# Altium PCB Minion_1_SiC780A_Rev01.PcbDoc (part 6 of 6)
Units mil, origin at the board's own origin, x right, y up, seen from the top; angles counter-clockwise.
Board outline 3937.01 x 3937.01 mil, 4 copper layers (L1, L2, L3, L4), stack 62.087 mil thick; 410 components, 107 nets, 1950 pads, 1997 vias.
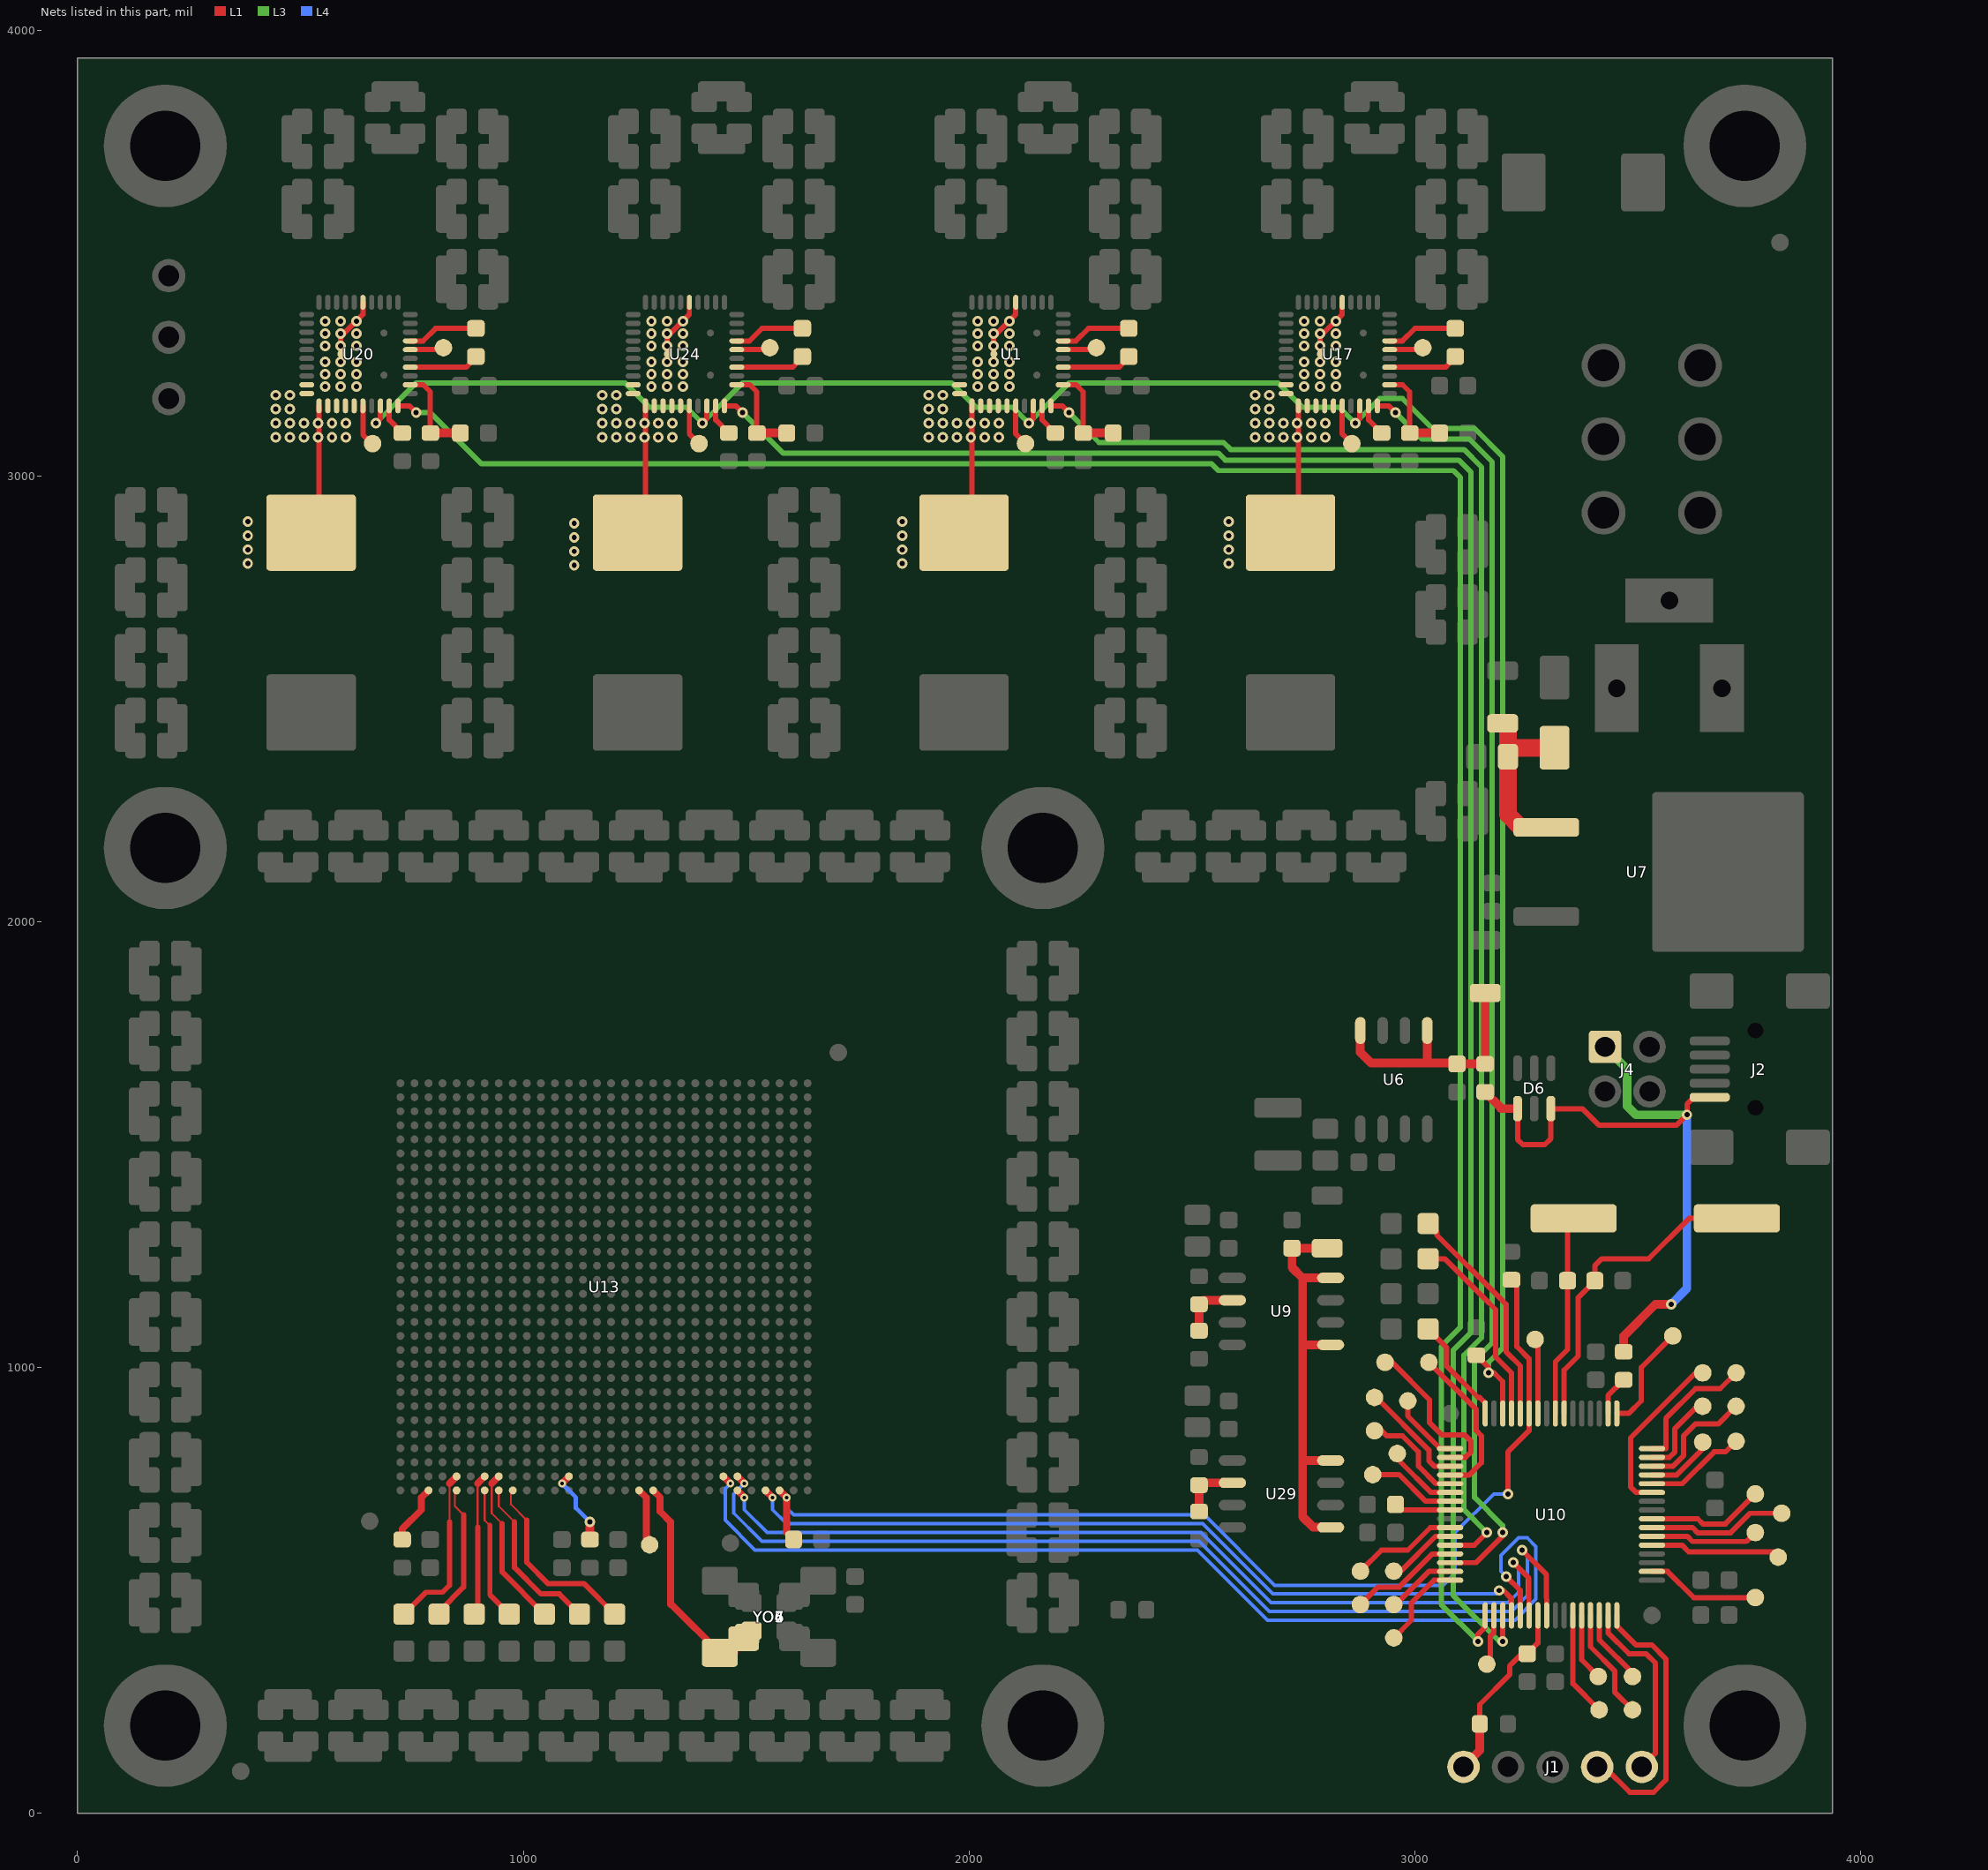
[diagram p8: the nets of this part, all layers, seen from the top]

## Via types
v1: diameter 23.62/23.62/23.62/23.62 (per signal layer), hole 11.81, L1 to L4, 1110 vias
v2: diameter 17.72/17.72/17.72/17.72 (per signal layer), hole 7.87, L1 to L4, 887 vias

## Nets (pads, with @x,y where several pads share a name; then routed paths per layer and width w, separated by ;. In a path a pad name is that pad's centre, name@x,y a point inside that pad or via, vN(x,y) a via of type N, cw(c..) or ccw(c..) an arc to the next point about the centre after c; other vN are vias at no path point) (continued)
LDO3.3V-5.0V: C1.1 R14.1 U9.5 U9.8 U29.5 U29.8 | length 952.2
  L1 w19.68: R14.1@2803.15,1267.72 C1.1@2724.41,1267.72 2724.41,1224.41 2747.83,1200.98 2748.23,1200.98 ; U29.5@2811.02,641.55 2810.84,641.73 2771.85,641.73 2748.23,665.35 2748.23,791.54 ; U29.8@2811.02,791.54 2748.23,791.54 ; U9.5@2811.02,1051 2748.23,1051 ; U9.8@2811.02,1200.98 2748.23,1200.98 ; 2748.23,791.54 2748.23,1051 ; 2748.23,1051 2748.23,1200.98
LDO5.0V: C15.1 R33.1 R34.1 U6.5 U6.8 | length 571.5
  L1 w19.68: U6.8@2877.76,1755.91 2877.76,1706.89 2901.57,1683.07 3027.74,1683.07 ; U6.5@3027.74,1755.91 3027.74,1683.07 ; R34.1@3157.93,1840.15 3157.93,1681.55 R33.1@3157.48,1681.1 C15.1@3094.49,1681.1 3092.52,1683.07 3027.74,1683.07
LED_BUSY1: D12.2 U13.AK8 | length 376.8
  L1 w4.33: U13.AK8@944.88,724.41 944.88,688.98 980.31,653.54
  L1 w11.81: 980.31,653.54 980.31,551.18 1039.37,492.13 1080.71,492.13 D12.2@1125.98,446.85
LED_CLK1: D16.2 U13.AK5 | length 312.5
  L1 w4.33: U13.AK5@850.39,724.41 846.46,724.41 846.46,688.98 866.14,669.29
  L1 w11.81: D16.2@811.02,446.85 811.02,452.76 866.14,507.87 866.14,669.29
LED_HOT1: D9.2 U13.AJ7 | length 318.8
  L1 w4.33: 897.64,641.73 897.64,740.16
  L1 w11.81: D9.2@889.76,446.85 897.64,454.72 897.64,641.73
  L1 w15.75: 897.64,740.16 U13.AJ7@913.39,755.91
LED_IDLE1: D5.2 U13.AJ8 | length 364.5
  L1 w4.33: 929.13,740.16 929.13,673.23 952.76,649.61
  L1 w11.81: 952.76,649.61 952.76,541.34 D5.2@1047.24,446.85
  L1 w15.75: 929.13,740.16 U13.AJ8@944.88,755.91
LED_NONCE1: D17.2 U13.AK7 | length 300.4
  L1 w4.33: U13.AK7@913.39,724.41 913.39,657.48 925.2,645.67
  L1 w11.81: 925.2,645.67 925.2,490.16 D17.2@968.5,446.85
LED_POWER1: D13.2 U13.AK9 | length 422.7
  L1 w4.33: U13.AK9@976.38,724.41 972.44,720.47 972.44,692.91 1007.87,657.48
  L1 w11.81: 1007.87,657.48 1007.87,562.99 1055.12,515.75 1135.83,515.75 D13.2@1204.72,446.85
LED_SPI1: D7.2 U13.AJ5 | length 379.9
  L1 w4.33: 834.65,653.54 834.65,740.16
  L1 w11.81: D7.2@732.28,446.85 781.5,496.06 818.9,496.06 834.65,511.81 834.65,653.54
  L1 w15.75: 834.65,740.16 U13.AJ5@850.39,755.91
LM12V: C592.1 D8.1 R13.1 U7.1 | length 419.2
  L1 w39.37: R13.1@3196.85,2444.88 3208.66,2444.88 C592.1@3208.66,2390.1 ; U7.1@3294.84,2211.54 3293.78,2212.6 3236.22,2212.6 3208.66,2240.16 C592.1@3208.66,2370.08 C592.1@3208.66,2390.1 ; D8.1@3313.33,2390.1 C592.1@3208.66,2390.1
"MAIN OSC IN": C10.1 U10.39 Y1.1 | length 722.7
  L1 w11.81: U10.39@3334.94,896.97 3334.94,994.39 3366.14,1025.59 3366.14,1156.5 3366.46,1156.81 3403.54,1193.9 C10.1@3403.54,1194.88 3403.54,1228.35 3419.29,1244.09 3524.59,1244.09 3615.14,1334.65 Y1.1@3722.44,1334.65
"MAIN OSC OUT": C11.1 U10.40 Y1.2 | length 454.7
  L1 w11.81: U10.40@3315.26,896.97 3315.26,1013.09 3342.52,1040.35 C11.1@3342.52,1194.88 3342.52,1320.87 Y1.2@3356.3,1334.65
MCLR: C5.1 J1.1 R31.1 U10.7 | length 415.9
  L1 w11.81: R31.1@3145.67,200.79 3145.67,244.09 3212.6,311.02 3212.6,330.71 3240.16,358.27 C5.1@3251.97,358.27 3275.89,382.19 U10.7@3275.89,444.21
  L1 w19.68: J1.1@3109.06,104.33 3145.67,140.94 R31.1@3145.67,200.79
MCU5.0V: R32.2 U10.34 | length 90
  L1 w11.81: U10.34@3433.37,896.97 3433.37,937.3 R32.2@3468.5,972.44
NetC26_1: C26.1 R4.2 U1.2 | length 211
  L1 w11.81: U1.2@2211.08,3204.32 2240.16,3204.32 2255.91,3188.57 2255.91,3096.5 R4.2@2256.36,3096.05
  L1 w19.68: R4.2@2256.36,3096.05 C26.1@2323.29,3096.05
NetC30_1: C30.1 U1.4 | length 158
  L1 w11.81: U1.4@2211.08,3243.69 2337.07,3243.69 C30.1@2358.27,3267.72
NetC30_2: C30.2 U1.7 | length 158.8
  L1 w11.81: U1.7@2211.08,3302.74 2239.75,3302.74 2267.72,3330.71 C30.2@2358.27,3330.71
NetC58_1: C58.1 R24.2 U17.2 | length 211
  L1 w11.81: U17.2@2943.36,3204.32 2972.44,3204.32 2988.19,3188.57 2988.19,3096.5 R24.2@2988.64,3096.05
  L1 w19.68: R24.2@2988.64,3096.05 C58.1@3055.57,3096.05
NetC89_1: C89.1 R3.2 U20.2 | length 211
  L1 w11.81: U20.2@746.51,3204.32 775.59,3204.32 791.34,3188.57 791.34,3096.5 R3.2@791.79,3096.05
  L1 w19.68: R3.2@791.79,3096.05 C89.1@858.72,3096.05
NetC93_1: C93.1 U20.4 | length 158
  L1 w11.81: U20.4@746.51,3243.69 872.5,3243.69 C93.1@893.7,3267.72
NetC93_2: C93.2 U20.7 | length 158.8
  L1 w11.81: U20.7@746.51,3302.74 775.18,3302.74 803.15,3330.71 C93.2@893.7,3330.71
NetC121_1: C121.1 R7.2 U24.2 | length 211
  L1 w11.81: U24.2@1478.8,3204.32 1507.87,3204.32 1523.62,3188.57 1523.62,3096.5 R7.2@1524.07,3096.05
  L1 w19.68: R7.2@1524.07,3096.05 C121.1@1591,3096.05
NetC125_1: C125.1 U24.4 | length 158
  L1 w11.81: U24.4@1478.8,3243.69 1604.78,3243.69 C125.1@1625.98,3267.72
NetC125_2: C125.2 U24.7 | length 158.8
  L1 w11.81: U24.7@1478.8,3302.74 1507.47,3302.74 1535.43,3330.71 C125.2@1625.98,3330.71
NetC257_1: C257.1 U17.4 | length 158
  L1 w11.81: U17.4@2943.36,3243.69 3069.35,3243.69 C257.1@3090.55,3267.72
NetC257_2: C257.2 U17.7 | length 158.8
  L1 w11.81: U17.7@2943.36,3302.74 2972.03,3302.74 3000,3330.71 C257.2@3090.55,3330.71
NetR1_1: R1.1 U1.39 | length 73.3
  L1 w11.81: U1.39@2163.84,3157.07 2163.84,3125.58 R1.1@2193.36,3096.05
NetR2_1: R2.1 U20.39 | length 73.3
  L1 w11.81: U20.39@699.27,3157.07 699.27,3125.58 R2.1@728.8,3096.05
NetR5_1: R5.1 U24.39 | length 73.3
  L1 w11.81: U24.39@1431.55,3157.07 1431.55,3125.58 R5.1@1461.08,3096.05
NetR16_2: R16.2 R17.1 U9.2 | length 137.7
  L1 w19.68: R17.1@2515.75,1082.68 R16.2@2515.75,1141.73 2525,1150.98 U9.2@2590.55,1150.98
NetR23_1: R23.1 U17.39 | length 73.3
  L1 w11.81: U17.39@2896.12,3157.07 2896.12,3125.58 R23.1@2925.65,3096.05
NetR27_2: R27.2 R28.1 U29.2 | length 136.1
  L1 w19.68: R28.1@2515.75,677.17 R27.2@2515.75,736.22 2521.06,741.54 U29.2@2590.55,741.54
NetTP2_1: TP2.1 U10.27 | length 386.2
  L1 w11.81: U10.27@3531.79,719.81 3496.06,719.81 3483.58,732.28 3483.58,841.85 3630.59,988.86 3645,988.86 TP2.1@3645.67,988.19
NetTP4_1: TP4.1 U20.6 | length 78.7
  L1 w11.81: U20.6@746.51,3283.06 820.87,3283.06 TP4.1@820.87,3287.4
NetTP5_1: TP5.1 U10.12 | length 152.5
  L1 w11.81: U10.12@3374.31,444.21 3374.31,344.15 TP5.1@3410.54,307.92 ; TP5.1@3410.58,307.92 TP5.1@3411.42,307.09
NetTP6_1: TP6.1 U10.13 | length 250.9
  L1 w11.81: U10.13@3394,444.21 3394,373.72 3448.82,318.9 3448.82,271.65 TP6.1@3488.19,232.28
NetTP7_1: TP7.1 U10.14 | length 179.1
  L1 w11.81: U10.14@3413.68,444.21 3413.68,389.47 3492.13,311.02 3496.06,307.09 TP7.1@3488.19,307.09
NetTP8_1: TP8.1 U1.6 | length 78.7
  L1 w11.81: U1.6@2211.08,3283.06 2285.43,3283.06 TP8.1@2285.43,3287.4
NetTP10_1: TP10.1 U10.21 | length 301.2
  L1 w11.81: U10.21@3531.79,601.7 3599.09,601.69 3614.17,586.61 3814.96,586.61 TP10.1@3814.96,574.8
NetTP11_1: TP11.1 U10.22 | length 245.1
  L1 w11.81: U10.22@3531.79,621.38 3610.9,621.38 3622.44,609.84 3743.7,609.84 TP11.1@3763.78,629.92
NetTP12_1: TP12.1 U10.58 | length 241.6
  L1 w11.81: TP12.1@2877.95,543.31 2925.2,590.55 2984.25,590.55 3034.77,641.07 U10.58@3079.04,641.07
NetTP13_1: TP13.1 U10.42 | length 168.6
  L1 w11.81: TP13.1@3269.68,1062.99 3275.89,1056.79 U10.42@3275.89,896.97
NetTP15_1: TP15.1 U1.36 | length 93.6
  L1 w11.81: U1.36@2104.78,3157.07 2104.78,3094.08 TP15.1@2126.44,3072.43
NetTP16_1: TP16.1 U24.6 | length 78.7
  L1 w11.81: U24.6@1478.8,3283.06 1553.15,3283.06 TP16.1@1553.15,3287.4
NetTP17_1: TP17.1 U10.51 | length 247.7
  L1 w11.81: TP17.1@2909.45,933.07 2913.39,933.07 3031.5,814.96 3031.5,790.67 3043.31,778.86 U10.51@3079.04,778.86
NetTP18_1: TP18.1 U10.55 | length 198.3
  L1 w11.81: TP18.1@2905.51,759.84 2964.57,759.84 3024.29,700.12 U10.55@3079.04,700.12
NetTP19_1: TP19.1 U10.54 | length 159.7
  L1 w11.81: TP19.1@2960.63,807.09 2968.5,787.4 3036.1,719.81 U10.54@3079.04,719.81
NetTP20_1: TP20.1 U10.52 | length 356
  L1 w11.81: TP20.1@3031.5,1011.81 3137.8,905.51 3137.8,858.27 3149.61,846.46 3149.61,786.73 3122.05,759.18 U10.52@3079.04,759.18
NetTP21_1: TP21.1 U10.33 | length 241.5
  L1 w11.81: U10.33@3453.05,896.97 3453.72,897.64 3480.31,897.64 3507.87,925.2 3507.87,1000 TP21.1@3578.74,1070.87
NetTP22_1: TP22.1 U10.50 | length 372
  L1 w11.81: TP22.1@2933.07,1011.81 2948.82,1011.81 3032.48,928.15 3032.48,876.97 3061.02,848.43 3112.2,848.43 3125.98,834.65 3125.98,811.02 3113.51,798.55 U10.50@3079.04,798.55
NetTP23_1: TP23.1 U10.49 | length 159.1
  L1 w11.81: TP23.1@2984.25,925.2 2984.25,891.07 3057.09,818.23 U10.49@3079.04,818.23
NetTP25_1: TP25.1 U10.53 | length 237.6
  L1 w11.81: TP25.1@2909.45,858.27 2925.2,858.27 2937.01,846.46 2972.44,846.46 3007.87,811.02 3007.87,778.86 3047.24,739.49 U10.53@3079.04,739.49
NetTP26_1: TP26.1 U10.18 | length 256.7
  L1 w11.81: U10.18@3531.79,542.64 3566.93,542.64 3625.98,483.58 3763.11,483.58 TP26.1@3763.78,484.25
NetTP27_1: TP27.1 U17.36 | length 93.6
  L1 w11.81: U17.36@2837.07,3157.07 2837.07,3094.08 TP27.1@2858.72,3072.43
NetTP28_1: TP28.1 U10.59 | length 159.2
  L1 w11.81: TP28.1@2952.76,543.31 2953.42,542.64 2967.84,542.64 3046.58,621.38 U10.59@3079.04,621.38
NetTP29_1: TP29.1 U10.11 | length 236.3
  L1 w11.81: U10.11@3354.63,444.21 3354.63,291.04 TP29.1@3413.39,232.28
NetTP30_1: TP30.1 U20.36 | length 94.8
  L1 w11.81: U20.36@640.22,3157.07 640.22,3092.11 659.9,3072.43 TP30.1@661.87,3072.43
NetTP31_1: TP31.1 U17.6 | length 78.7
  L1 w11.81: U17.6@2943.36,3283.06 3017.72,3283.06 TP31.1@3017.72,3287.4
NetTP32_1: TP32.1 U24.36 | length 93.6
  L1 w11.81: U24.36@1372.5,3157.07 1372.5,3094.08 TP32.1@1394.15,3072.43
NetTP123_1: TP123.1 U10.28 | length 228.1
  L1 w11.81: U10.28@3531.79,739.49 3599.81,739.49 3671.34,811.02 3696.85,811.02 TP123.1@3720.47,834.65
NetTP124_1: TP124.1 U10.29 | length 153.3
  L1 w11.81: U10.29@3531.79,759.18 3587.47,759.18 3645.67,817.38 TP124.1@3645.67,832.68
NetTP125_1: TP125.1 U10.30 | length 270.5
  L1 w11.81: U10.30@3531.79,778.86 3579.32,778.86 3602.36,801.91 3602.36,846.46 3629.92,874.02 3681.1,874.02 TP125.1@3720.47,913.39
NetTP126_1: TP126.1 U10.31 | length 192
  L1 w11.81: U10.31@3531.79,798.55 3571.15,798.55 3582.68,810.08 3582.68,862.2 3633.86,913.39 TP126.1@3645.67,913.39
NetTP127_1: TP127.1 U10.32 | length 298.7
  L1 w11.81: U10.32@3531.79,818.23 3562.99,818.23 3562.99,885.83 3629.92,952.76 3685.04,952.76 TP127.1@3720.47,988.19
NetTP131_1: TP131.1 U10.23 | length 313.9
  L1 w11.81: U10.23@3531.79,641.07 3622.71,641.07 3634.25,629.53 3708.27,629.53 3751.97,673.23 TP131.1@3822.83,673.23
NetTP132_1: TP132.1 U10.24 | length 264.7
  L1 w11.81: U10.24@3531.79,660.75 3634.53,660.75 3646.06,649.21 3696.46,649.21 TP132.1@3763.78,716.54
ORANGE: D4.2 U10.45 | length 446.6
  L1 w11.81: D4.2@3029.53,1244.09 3066.93,1244.09 3154.21,1156.81 3181.1,1129.92 3181.1,1023.62 3216.83,987.89 U10.45@3216.83,896.97
PGC: J1.5 U10.15 | length 418.9
  L1 w11.81: U10.15@3433.37,444.21 3433.37,404.84 3479.94,358.27 3518.5,358.27 3539.37,337.4 3539.37,134.65 J1.5@3509.06,104.33
PGD: J1.4 U10.16 | length 624.9
  L1 w11.81: J1.4@3409.06,104.33 3411.02,102.36 3427.17,102.36 3482.28,47.24 3535.43,47.24 3562.99,74.8 3562.99,346.46 3531.5,377.95 3495.69,377.95 3453.05,420.59 U10.16@3453.05,444.21
POR_IOVSEL1: R19.2 U13.AJ13 | length 174.3
  L1 w15.75: v2(1086.61,740.16) U13.AJ13@1102.36,755.91
  L1 w19.68: R19.2@1149.61,614.17 v1(1149.61,653.54)
  L4 w9.84: v2(1086.61,740.16) 1118.11,708.66 1118.11,685.04 v1(1149.61,653.54)
PWM1H: TP14.1 U10.61 | length 248.1
  L1 w11.81: TP14.1@2877.95,468.5 2917.32,507.87 2965.23,507.87 3039.37,582.01 U10.61@3079.04,582.01
PWM1L: U1.40 U10.60 | length 3544.7
  L1 w11.81: U1.40@2183.52,3157.07 2209.07,3157.07 v1(2224.41,3141.73) ; U10.60@3079.04,601.7 3133.86,601.69 3133.86,602.36 v1(3161.42,629.92)
  L3 w11.81: v1(2224.41,3141.73) 2291.34,3074.8 2570.87,3074.8 2586.61,3059.06 3110.24,3059.06 3149.61,3019.68 3149.61,1066.93 3110.24,1027.56 3110.24,681.1 v1(3161.42,629.92)
PWM2H: TP3.1 U10.63 | length 157
  L1 w11.81: TP3.1@2952.76,468.5 2957.36,468.5 3031.5,542.64 U10.63@3079.04,542.64
PWM2L: U10.62 U17.40 | length 2903.8
  L1 w11.81: U17.40@2915.81,3157.07 2941.35,3157.07 v1(2956.69,3141.73) ; U10.62@3079.04,562.33 3137.13,562.32 3196.85,622.05 v1(3196.85,629.92)
  L3 w11.81: v1(2956.69,3141.73) 3015.75,3082.68 3122.05,3082.68 3173.23,3031.5 3173.23,1055.12 3133.86,1015.75 3133.86,708.66 3196.85,645.67 v1(3196.85,629.92)
PWM3H: U10.1 U20.40 | length 5177.6
  L1 w11.81: U20.40@718.96,3157.07 744.5,3157.07 v1(759.84,3141.73) ; v1(3141.73,385.83) 3142.03,386.12 3142.03,401.87 3157.78,417.62 U10.1@3157.78,444.21
  L3 w11.81: v1(759.84,3141.73) 791.34,3141.73 905.51,3027.56 2543.31,3027.56 2559.06,3011.81 3086.61,3011.81 3102.36,2996.06 3102.36,1090.55 3059.06,1047.24 3059.06,468.5 v1(3141.73,385.83)
PWM3L: TP129.1 U10.64 | length 202.9
  L1 w11.81: TP129.1@2952.76,393.7 2992.13,433.07 2992.13,472.44 3042.64,522.95 U10.64@3079.04,522.95
PWM4H: U10.3 U24.40 | length 4483.9
  L1 w11.81: U24.40@1451.24,3157.07 1476.78,3157.07 v1(1492.13,3141.73) ; v1(3196.85,385.83) 3197.15,385.83 U10.3@3197.15,444.21
  L3 w11.81: v1(1492.13,3141.73) 1582.68,3051.18 2559.06,3051.18 2574.8,3035.43 3098.43,3035.43 3125.98,3007.87 3125.98,1078.74 3086.61,1039.37 3086.61,488.19 3188.98,385.83 v1(3196.85,385.83)
PWM4L: TP128.1 U10.2 | length 120.8
  L1 w11.81: TP128.1@3161.42,334.65 3169.29,334.65 3169.29,397.64 3177.46,405.81 U10.2@3177.46,444.21
RED: D1.2 U10.48 | length 245
  L1 w11.81: D1.2@3029.53,1086.61 3070.87,1045.28 3070.87,1003.66 3141.45,933.07 3145.3,933.07 3157.78,920.59 U10.48@3157.78,896.97
RESET_ASIC: C594.1 R26.2 U10.43 U13.AK28 | length 2507.9
  L1 w11.81: v1(3208.66,716.54) 3208.66,810.73 3256.2,858.27 U10.43@3256.2,896.97 3256.2,1019.69 3228.64,1047.24 3228.64,1204.43 R26.2@3216.54,1196.85
  L1 w15.75: U13.AK28@1574.8,724.41 v2(1590.55,708.66) 1590.55,629.92 C594.1@1606.3,614.17
  L4 w7.87: v2(1590.55,708.66) 1590.55,685.04 1606.3,669.29 2527.56,669.29 2685.04,511.81 3062.99,511.81 3090.55,539.37 3090.55,629.92 3177.17,716.54 v1(3208.66,716.54)
SPI_CS: U10.8 U13.AJ25 | length 2260.9
  L1 w11.81: v1(3240.16,590.55) 3295.28,535.43 3295.28,519.69 U10.8@3295.57,444.21
  L1 w15.75: U13.AJ25@1480.31,755.91 v2(1496.06,740.16)
  L4 w7.87: v2(1496.06,740.16) 1472.44,716.54 1472.44,673.23 1535.43,610.24 2515.75,610.24 2673.23,452.76 3216.54,452.76 3251.97,488.19 3251.97,578.74 v1(3240.16,590.55)
SPI_MISO: U10.5 U13.AJ24 | length 2415.2
  L1 w11.81: v1(3204.72,531.5) 3236.22,500.53 3236.22,488.19 U10.5@3236.52,444.21
  L1 w15.75: U13.AJ24@1448.82,755.91 v2(1464.57,740.16)
  L4 w7.87: v2(1464.57,740.16) 1452.76,728.35 1452.76,657.48 1519.68,590.55 2511.81,590.55 2669.29,433.07 3224.41,433.07 3271.65,480.31 3271.65,598.43 3251.97,618.11 3232.28,618.11 3192.91,578.74 3192.91,543.31 v1(3204.72,531.5)
SPI_MOSI: U10.6 U13.AK25 | length 2087.5
  L1 w11.81: v1(3220.47,562.99) 3255.91,527.56 3255.91,496.06 U10.6@3256.2,444.21
  L1 w15.75: U13.AK25@1480.31,724.41 v2(1496.06,708.66)
  L4 w7.87: v2(1496.06,708.66) 1496.06,681.1 1547.24,629.92 2519.68,629.92 2677.17,472.44 3208.66,472.44 3232.28,496.06 3232.28,551.18 v1(3220.47,562.99)
SPI_SCK: U10.4 U13.AK27 | length 1834.3
  L1 w11.81: v1(3188.98,500) 3199.46,499.48 3215.55,483.39 3216.83,482.31 U10.4@3216.83,444.21
  L1 w15.75: U13.AK27@1543.31,724.41 v2(1559.06,708.66)
  L4 w7.87: v2(1559.06,708.66) 1559.06,681.1 1590.55,649.61 2523.62,649.61 2681.1,492.13 3181.1,492.13 v1(3188.98,500)
SWN7: L10.1 U20.15 U20.29 U20.30 U20.31 U20.32 U20.33 U20.34 U20.35 U20.43 | length 439.1
  L1 w11.81: L10.1@524.07,2872.63 541.79,2872.63 U20.31@541.79,3157.07 ; U20.43@591,3273.22 590.55,3273.67 v1(590.55,3291.34) 590.55,3312.54 640.22,3362.2 U20.15@640.22,3389.36
  other v1: 381.89,2803.15 381.89,2834.65 381.89,2866.14 381.89,2897.64 444.88,3086.61 476.38,3086.61 507.87,3086.61 539.37,3086.61 570.87,3086.61 602.36,3086.61 444.88,3118.11 476.38,3118.11 507.87,3118.11 539.37,3118.11 570.87,3118.11 602.36,3118.11 444.88,3149.61 476.38,3149.61 444.88,3181.1 476.38,3181.1 555.12,3200.79 590.55,3200.79 625.98,3200.79 555.12,3228.35 590.55,3228.35 625.98,3228.35 555.12,3255.91 590.55,3255.91 625.98,3255.91 555.12,3291.34 625.98,3291.34 555.12,3318.9 590.55,3318.9 625.98,3318.9 555.12,3346.46 590.55,3346.46 625.98,3346.46
SWN8: L14.1 U24.15 U24.29 U24.30 U24.31 U24.32 U24.33 U24.34 U24.35 U24.43 | length 439.1
  L1 w11.81: L14.1@1256.36,2872.63 1274.07,2872.63 U24.31@1274.07,3157.07 ; U24.43@1323.29,3273.22 1322.83,3273.67 v1(1322.83,3291.34) 1322.83,3312.54 1326.01,3315.72 1357.51,3347.22 1372.5,3362.2 U24.15@1372.5,3389.36
  other v1: 1114.17,2799.21 1114.17,2830.71 1114.17,2862.2 1114.17,2893.7 1177.17,3086.61 1208.66,3086.61 1240.16,3086.61 1271.65,3086.61 1303.15,3086.61 1334.65,3086.61 1177.17,3118.11 1208.66,3118.11 1240.16,3118.11 1271.65,3118.11 1303.15,3118.11 1334.65,3118.11 1177.17,3149.61 1208.66,3149.61 1177.17,3181.1 1208.66,3181.1 1287.4,3200.79 1322.83,3200.79 1358.27,3200.79 1287.4,3228.35 1322.83,3228.35 1358.27,3228.35 1287.4,3255.91 1322.83,3255.91 1358.27,3255.91 1287.4,3291.34 1358.27,3291.34 1287.4,3318.9 1322.83,3318.9 1358.27,3318.9 1287.4,3346.46 1322.83,3346.46 1358.27,3346.46
SWN9: L3.1 U1.15 U1.29 U1.30 U1.31 U1.32 U1.33 U1.34 U1.35 U1.43 | length 439.1
  L1 w11.81: L3.1@1988.64,2872.63 2006.36,2872.63 U1.31@2006.36,3157.07 ; U1.43@2055.57,3273.22 2055.12,3273.67 v1(2055.12,3291.34) 2055.12,3312.54 2104.78,3362.2 U1.15@2104.78,3389.36
  other v1: 1850.39,2803.15 1850.39,2834.65 1850.39,2866.14 1850.39,2897.64 1909.45,3086.61 1940.94,3086.61 1972.44,3086.61 2003.94,3086.61 2035.43,3086.61 2066.93,3086.61 1909.45,3118.11 1940.94,3118.11 1972.44,3118.11 2003.94,3118.11 2035.43,3118.11 2066.93,3118.11 1909.45,3149.61 1940.94,3149.61 1909.45,3181.1 1940.94,3181.1 2019.68,3200.79 2055.12,3200.79 2090.55,3200.79 2019.68,3228.35 2055.12,3228.35 2090.55,3228.35 2019.68,3255.91 2055.12,3255.91 2090.55,3255.91 2019.68,3291.34 2090.55,3291.34 2019.68,3318.9 2055.12,3318.9 2090.55,3318.9 2019.68,3346.46 2055.12,3346.46 2090.55,3346.46
SWN10: L7.1 U17.15 U17.29 U17.30 U17.31 U17.32 U17.33 U17.34 U17.35 U17.43 | length 439.1
  L1 w11.81: L7.1@2720.92,2872.63 2738.64,2872.63 U17.31@2738.64,3157.07 ; U17.43@2787.85,3273.22 2787.4,3273.67 v1(2787.4,3291.34) 2787.4,3312.54 2837.07,3362.2 U17.15@2837.07,3389.36
  other v1: 2582.68,2803.15 2582.68,2834.65 2582.68,2866.14 2582.68,2897.64 2641.73,3086.61 2673.23,3086.61 2704.72,3086.61 2736.22,3086.61 2767.72,3086.61 2799.21,3086.61 2641.73,3118.11 2673.23,3118.11 2704.72,3118.11 2736.22,3118.11 2767.72,3118.11 2799.21,3118.11 2641.73,3149.61 2673.23,3149.61 2641.73,3181.1 2673.23,3181.1 2751.97,3200.79 2787.4,3200.79 2822.83,3200.79 2751.97,3228.35 2787.4,3228.35 2822.83,3228.35 2751.97,3255.91 2787.4,3255.91 2822.83,3255.91 2751.97,3291.34 2822.83,3291.34 2751.97,3318.9 2787.4,3318.9 2822.83,3318.9 2751.97,3346.46 2787.4,3346.46 2822.83,3346.46
TEST_MODE1: R25.2 U13.AK3 | length 134.7
  L1 w15.75: R25.2@728.35,614.17 728.35,637.8 771.65,681.1 771.65,708.66 U13.AK3@787.4,724.41
THDN: R9.1 U1.38 U10.46 U17.38 U20.38 U24.38 | length 5232.7
  L1 w11.81: v1(669.29,3118.11) 679.59,3128.4 U20.38@679.59,3157.07 ; v1(1401.57,3118.11) 1411.87,3128.4 U24.38@1411.87,3157.07 ; v1(2133.86,3118.11) 2144.15,3128.4 U1.38@2144.15,3157.07 ; v1(2866.14,3118.11) 2876.44,3128.4 U17.38@2876.44,3157.07 ; R9.1@3137.8,1027.56 3144.7,1020.69 3144.8,1020.69 3165.41,1000.09 3165.41,988.24 v1(3165.35,988.19) ; v1(3165.35,988.19) 3177.37,988.18 3181.19,984.36 3197.15,968.5 U10.46@3197.15,896.97
  L3 w11.81: v1(669.29,3118.11) 759.84,3208.66 1228.35,3208.66 1283.46,3153.54 1366.14,3153.54 v1(1401.57,3118.11) 1492.13,3208.66 1960.63,3208.66 2015.75,3153.54 2098.43,3153.54 v1(2133.86,3118.11) 2224.41,3208.66 2692.91,3208.66 2748.03,3153.54 2830.71,3153.54 v1(2866.14,3118.11) 2921.26,3173.23 2972.44,3173.23 3039.37,3106.3 3133.86,3106.3 3196.85,3043.31 3196.85,1043.31 3165.35,1011.81 v1(3165.35,988.19)
USB5.0V: D6.4 D6.6 J2.1 J4.1 R32.1 R33.2 | length 1628.8
  L1 w11.81: D6.4@3230.31,1580.71 3230.31,1511.81 3242.13,1500 3291.34,1500 3305.12,1513.78 D6.6@3305.12,1580.71 3375.98,1580.71 3413.39,1543.31 3586.61,1543.31 v1(3610.24,1566.93) 3610.24,1590.55 3625.98,1606.3 J2.1@3661.42,1606.3
  L1 w19.68: R33.2@3157.48,1618.11 3192.91,1582.68 3192.91,1580.71 D6.4@3230.31,1580.71 ; R32.1@3468.5,1035.43 3468.5,1070.87 3539.37,1141.73 v1(3574.8,1141.73)
  L3 w19.68: J4.1@3426.38,1719.29 3476.38,1669.29 3476.38,1586.61 3496.06,1566.93 v1(3610.24,1566.93)
  L4 w19.68: v1(3574.8,1141.73) 3610.24,1177.17 v1(3610.24,1566.93)
VCAP: C2.1 U10.56 | length 134.8
  L1 w11.81: C2.1@2956.69,692.91 2956.69,680.44 U10.56@3079.04,680.44
XCLK1: U13.AK19 YO4.3 YO5.3 YO6.3 YO7.3 | length 540.1
  L1 w15.75: U13.AK19@1291.34,724.41 1307.09,708.66 1307.09,677.17 1330.71,653.54 1330.71,468.5 1332.68,468.5 YO7.3@1440.94,360.24
  L1 w19.68: YO7.3@1440.94,360.24 1472.44,360.24 1472.44,393.7 YO6.3@1494.09,393.7 ; YO6.3@1494.09,391.73 YO6.3@1494.09,393.7 ; YO4.3@1511.81,409.45 1509.84,409.45 YO5.3@1501.97,401.57 YO6.3@1494.09,393.7
XCLK_OUT1: TP9.1 U13.AK18 | length 131.8
  L1 w15.75: U13.AK18@1259.84,724.41 1275.59,708.66 1275.59,610.24 TP9.1@1283.46,602.36
YELLOW: D3.2 U10.44 | length 511.6
  L1 w11.81: D3.2@3029.53,1322.83 3049.21,1303.15 3049.21,1297.24 3189.64,1156.81 3204.72,1141.73 3204.72,1035.43 3236.52,1003.64 U10.44@3236.52,896.97
pads on no net: FID1.1 FID2.1 J2.4 J2.10 J2.11 U1.1 U6.2 U6.3 U6.4 U9.3 U9.4 U10.65 U10.66 U13.FID1 U13.FID2 U17.1 U20.1 U24.1 U29.3 U29.4

## Polygon pours and split planes (outlines as drawn)
SWN8 on L4 "L4-$1I74\SWN8" (solid, remove dead copper, pour order 48): 1370.08,3360.24 1370.08,2783.46 1078.74,2783.46 1078.74,3114.17 1173.23,3208.66 1275.59,3208.66 1275.59,3360.24
SWN7 on L4 "L4-$1I74\SWN7" (solid, remove dead copper, pour order 47): 637.8,3360.24 637.8,2783.46 346.46,2783.46 346.46,3114.17 440.94,3208.66 543.31,3208.66 543.31,3360.24
12V on L4 "L4-12V" (solid, remove dead copper, pour order 49): 622.05,3937.01 3937.01,3937.01 3937.01,2795.28 3515.75,2795.28 3515.75,3287.4 3228.35,3574.8 622.05,3574.8
SWN9 on L4 "L4-$1I74\SWN9" (solid, remove dead copper, pour order 46): 2102.36,3360.24 2102.36,2783.46 1811.02,2783.46 1811.02,3114.17 1905.51,3208.66 2007.87,3208.66 2007.87,3360.24
SWN10 on L4 "L4-$1I74\SWN10" (solid, remove dead copper, pour order 45): 2834.65,3360.24 2834.65,2783.46 2543.31,2783.46 2543.31,3114.17 2637.8,3208.66 2740.16,3208.66 2740.16,3360.24
GND on L4 "L4-GND" (solid, remove dead copper, pour order 50): 0,3937.01 3937.01,3937.01 3937.01,0 0,0
1V on L3 "L3-1V" (solid, remove dead copper, pour order 44): 0,0 3078.74,0 3078.74,2976.38 0,2976.38
12V on L3 "L3-12V" (solid, remove dead copper, pour order 43): 0,3937.01 3937.01,3937.01 3931.56,2401.57 3267.72,2401.57 3267.72,3003.94 3035.43,3236.22 0,3236.22
GND on L3 "L3-GND" (solid, remove dead copper, pour order 42): 3090.55,2389.76 3937.01,2389.76 3937.01,0 3090.55,0
GND on L1 "L1-GND 5" (solid, remove dead copper, pour order 28): 153.54,2366.14 0,2366.14 0,3051.18 153.54,3051.18
GND on L1 "L1-GND 4" (solid, remove dead copper, pour order 27): 2350.39,2362.2 2196.85,2362.2 2196.85,3047.24 2350.39,3047.24
1V on L1 "L1-1V" (solid, remove dead copper, pour order 39): 2362.2,0 0,0 0,2976.38 3078.74,2976.38 3078.74,2169.29 2362.2,2169.29
12V on L1 "L1-12V 3" (solid, remove dead copper, pour order 35): 547.24,3807.09 874.02,3807.09 874.02,3401.57 791.34,3318.9 716.54,3318.9 716.54,3279.53 657.48,3279.53 657.48,3417.32 547.24,3527.56
12V on L1 "L1-12V 2" (solid, remove dead copper, pour order 36): 1279.53,3807.09 1606.3,3807.09 1606.3,3401.57 1523.62,3318.9 1448.82,3318.9 1448.82,3279.53 1389.76,3279.53 1389.76,3417.32 1279.53,3527.56
SWN9 on L1 "L1-$1I74\SWN9" (solid, remove dead copper, pour order 31): 2102.36,3360.24 2102.36,2783.46 1811.02,2783.46 1811.02,3114.17 1905.51,3208.66 2007.87,3208.66 2007.87,3360.24
SWN10 on L1 "L1-$1I74\SWN10" (solid, remove dead copper, pour order 30): 2834.65,3360.24 2834.65,2783.46 2543.31,2783.46 2543.31,3114.17 2637.8,3208.66 2740.16,3208.66 2740.16,3360.24
SWN7 on L1 "L1-$1I74\SWN7" (solid, remove dead copper, pour order 32): 637.8,3360.24 637.8,2783.46 346.46,2783.46 346.46,3114.17 440.94,3208.66 543.31,3208.66 543.31,3360.24
GND on L1 "L1-GND 3" (solid, remove dead copper, pour order 29): 885.83,2366.14 732.28,2366.14 732.28,3051.18 885.83,3051.18
GND on L1 "L1-GND 2" (solid, remove dead copper, pour order 26): 1618.11,2366.14 1464.57,2366.14 1464.57,3051.18 1618.11,3051.18
SWN8 on L1 "L1-$1I74\SWN8" (solid, remove dead copper, pour order 33): 1370.08,3360.24 1370.08,2783.46 1078.74,2783.46 1078.74,3114.17 1173.23,3208.66 1275.59,3208.66 1275.59,3360.24
12V on L1 "L1-12V 1" (solid, remove dead copper, pour order 37): 2011.81,3807.09 2338.58,3807.09 2338.58,3401.57 2255.91,3318.9 2181.1,3318.9 2181.1,3279.53 2122.05,3279.53 2122.05,3417.32 2011.81,3527.56
12V on L1 "L1-12V" (solid, remove dead copper, pour order 34): 2744.09,3807.09 3070.87,3807.09 3070.87,3401.57 2988.19,3318.9 2913.39,3318.9 2913.39,3279.53 2854.33,3279.53 2854.33,3417.32 2744.09,3527.56
GND on L1 "L1-GND 1" (solid, remove dead copper, pour order 40): 3.94,3937.01 3937.01,3937.01 3937.01,0 3.94,0
GND on L1 "L1-GND" (solid, remove dead copper, pour order 38): 2165.35,196.85 196.85,196.85 196.85,2165.35 2165.35,2165.35
GND on L2 "L2-GND" (solid, remove dead copper, pour order 41): 0,0 3937.01,0 3937.01,3937.01 0,3937.01

## Keep-outs
Keep-Out Layer:
  the board outline again, w7.87

## Other copper
Multi-Layer:
  lines w1.97: -822.83,-5167.32 -822.83,-5173.23 -816.93,-5173.23
  lines w3.94: -625.98,-4681.1 -429.13,-4681.1 6854.33,-4681.1 ; -625.98,-2909.45 -429.13,-2909.45 -429.13,-4976.38 ; -625.98,-1293.78 -429.13,-1293.78 ; -625.98,674.72 -429.13,674.72 ; -625.98,2643.23 -429.13,2643.23 ; -625.98,4613.22 -429.13,4613.22 ; -429.13,6322.83 -429.13,-4976.38 ; -419.29,-4976.38 6854.33,-4976.38 ; 6854.33,-2909.45 6854.33,-4976.38 ; -429.13,-4976.38 6854.33,-4976.38 ; -429.13,-4976.38 6854.33,-4976.38 ; -429.13,-4976.38 -625.98,-4976.38 -625.98,6322.83 6854.33,6322.83 6854.33,-4976.38 ; -429.13,-4976.38 6854.33,-4976.38
  text "Printed copies of this document are uncontrolled and may NOT be current. All information is strictly CONFIDENTIAL." at -403.54,-4781.5 h41.34
  text "IMI Group reserves all rights even in the event of industrial property rights." at 3852.36,-4781.5 h41.34
  text "We reserve all rights of disposal such as copying and passing on to third parties." at -405.51,-4917.32 h41.34

## Silkscreen, mask and mechanical layers (free items; w line width, h text height)
26_Silkscreen Top:
  drawing of 1698 lines, arcs and shapes, not listed
Mechanical 17:
  the board outline again, w7.87

## Text inside footprints (layer, text, board x,y; h text height)
J1: Top Assy "5" at 3536.75,66.93 h19.68; Top Assy "1" at 3070.49,66.93 h19.68
J2: Top Assy "5" at 3740.16,1727.69 h19.68 r90; Top Assy "1" at 3740.16,1603.96 h19.68 r90
J3: Top Assy "1" at 216.53,3117.74 h19.68 r90; Top Assy "3" at 216.53,3493.44 h19.68 r90
J4: Top Assy "2" at 3552.36,1760.89 h15.75 r270; Top Assy "1" at 3386.22,1678.55 h15.75 r270
J5: Top Assy "4" at 3431.1,3320.02 h19.68 r270; Top Assy "3" at 3625.99,2862.86 h19.68 r270; Top Assy "6" at 3431.1,2862.39 h19.68 r270; Top Assy "1" at 3625.99,3315.33 h19.68 r270